# KiCad board smoothiev2-prime-2660.kicad_pcb (continued)
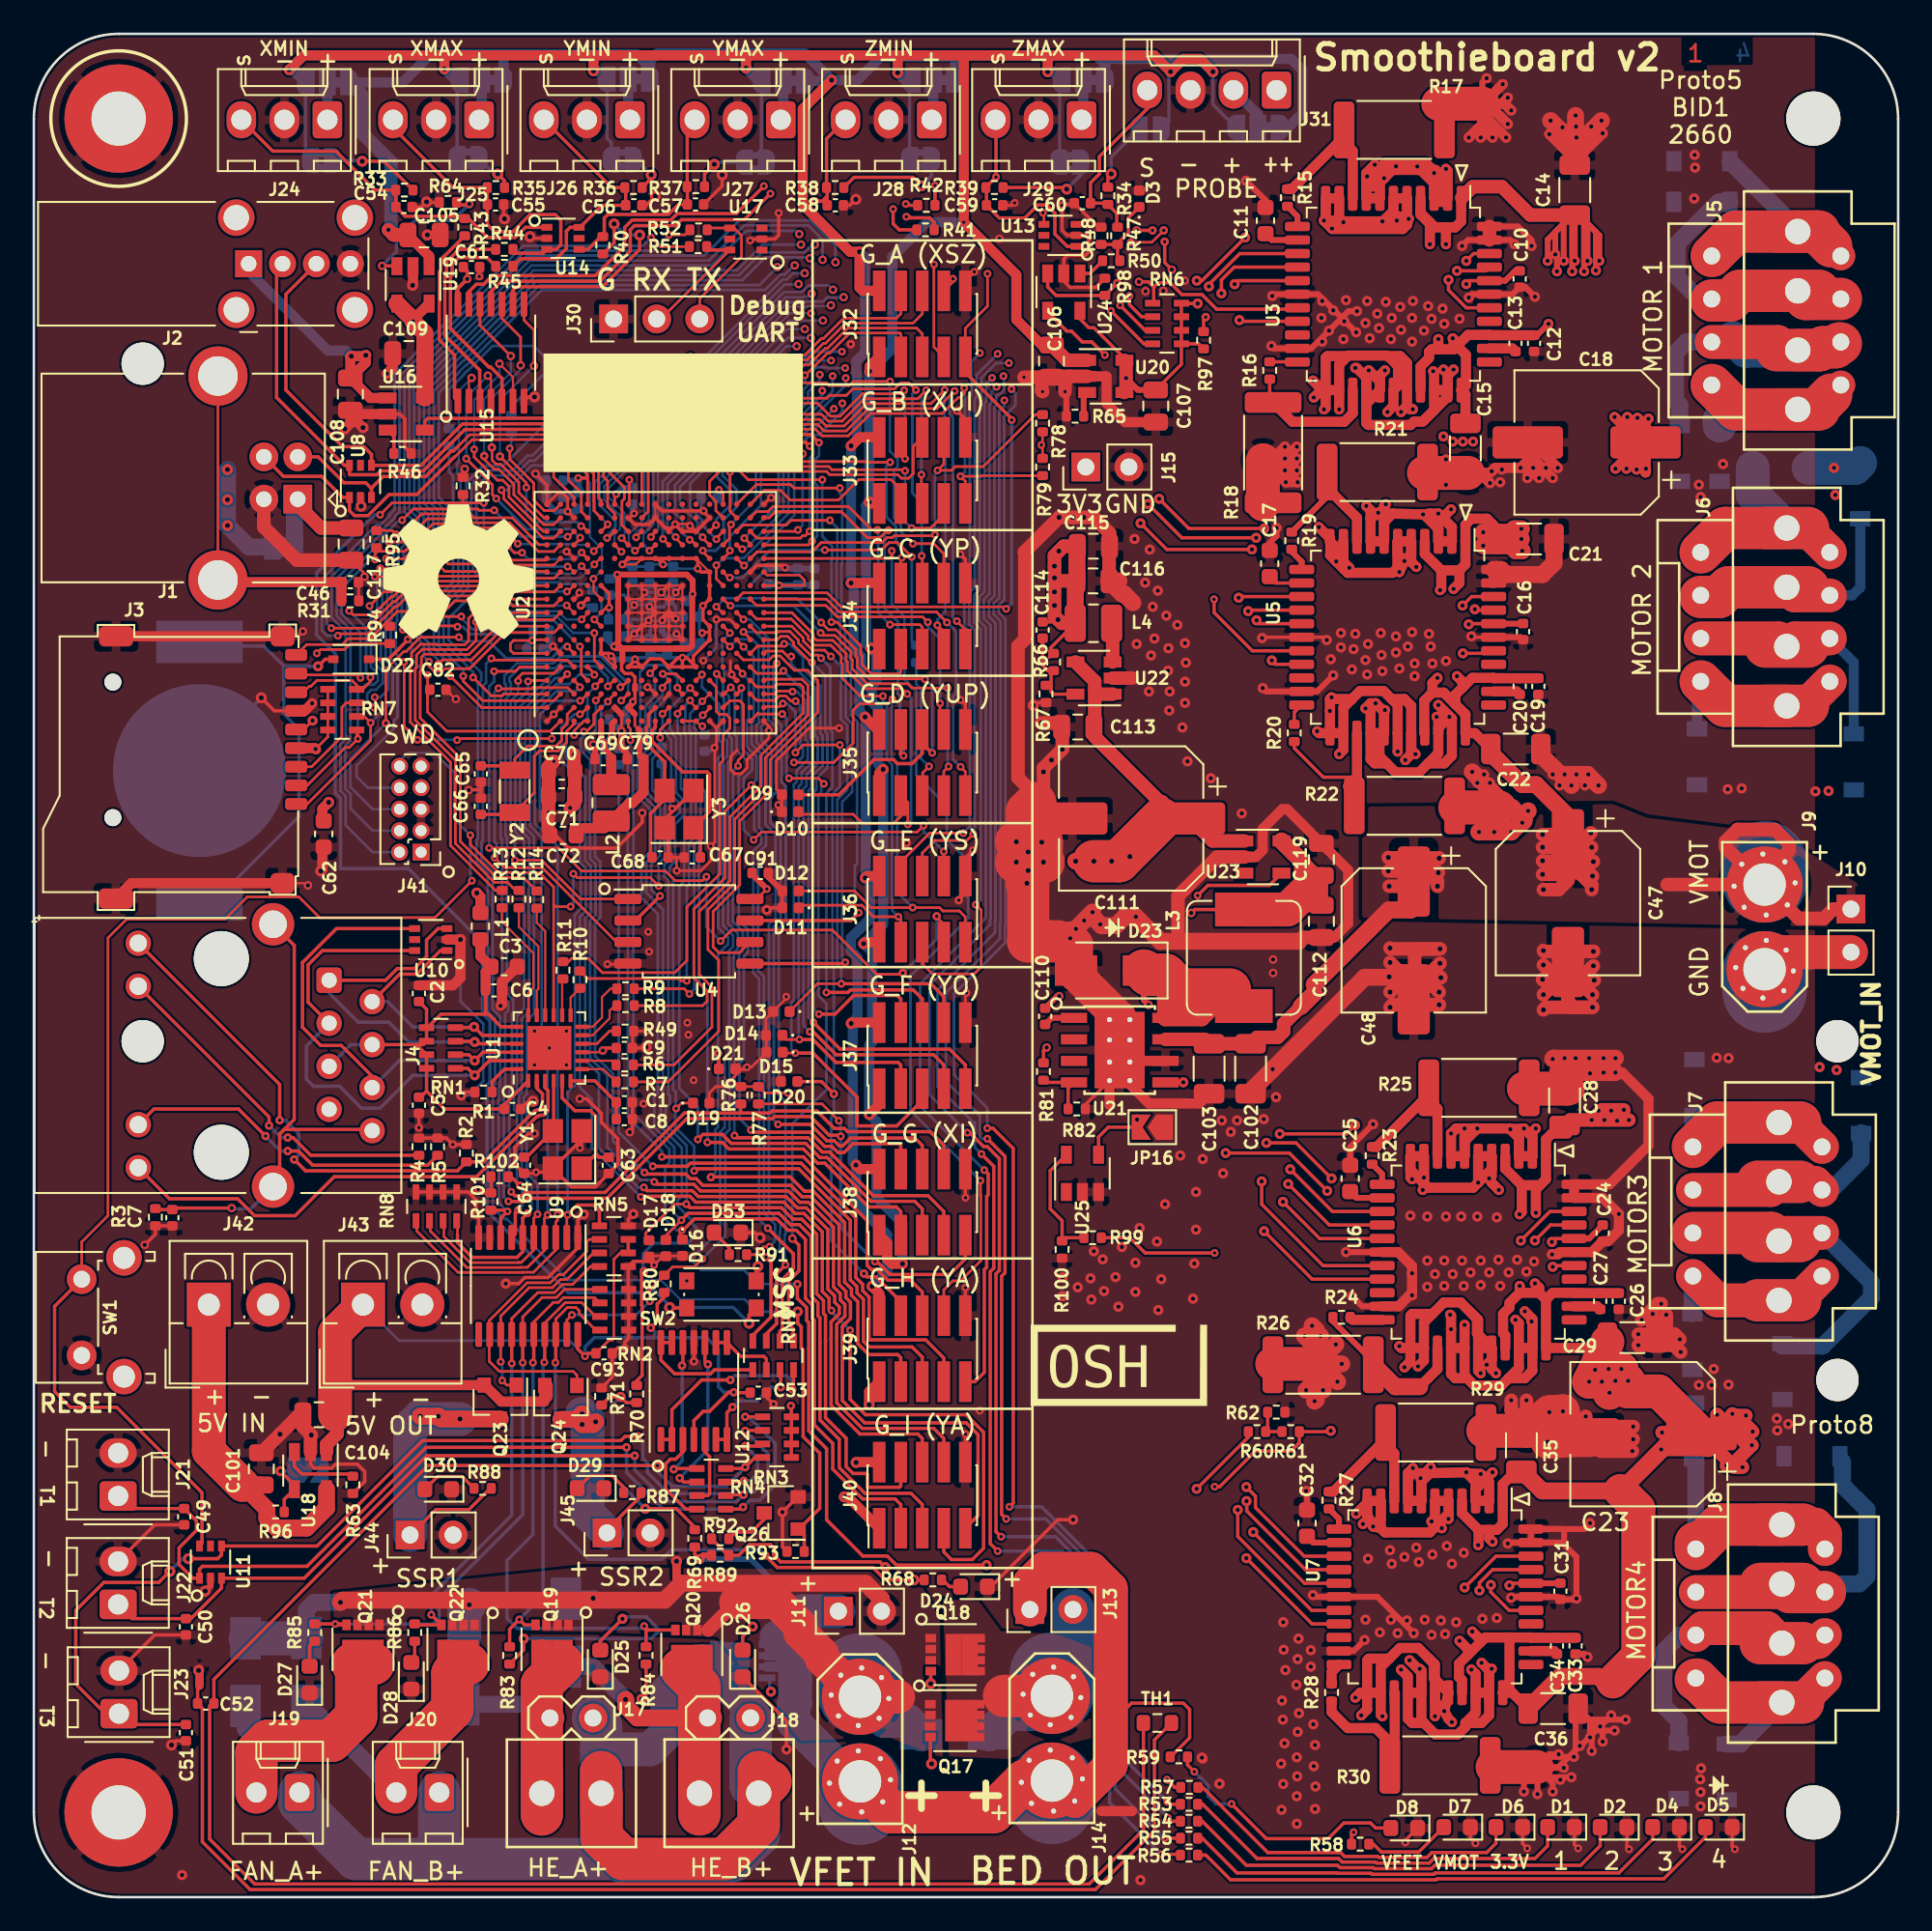
[diagram p0: board, top side]
## Routing (per net, layer and track width the routed paths; a pad name or vN(x,y) marks a point on that pad's centre or on a via; arc(x,y) is an arc through that point) (continued)
/ETH_TXEN: length 26.9
  Top w0.128: U2.B9 30.71,75.47
  Top w0.16: 30.71,75.47 30.66,75.42 27.73,75.42 25.67,73.36 23.48,73.36 23.46,73.38 23.04,73.38 22.86,73.21 22.86,72.43 22.79,72.35 22.79,69.61 25.16,67.24 25.16,62.33 27.29,60.2 28.07,60.2 28.08,60.19 28.88,60.19 R14.2
/ethernet/ETH_REFGND: length 29.7
  Top w0.2: R3.1 7.23,40.59 C7.1 8.26,40.68 v4(11.67,40.68) ; 14.5,45.05 15.36,45.91 15.36,56.19 J4.SH ; 14.5,45.05 14.77,45.32 19.89,45.32 J4.8 ; 14.5,45.05 14.5,42.34 14.11,41.95
  Bottom w0.2: 14.11,41.95 12.8,40.63 11.72,40.63 v4(11.67,40.68)
/ethernet/LED1: length 29.8
  Top w0.2: J4.12 8,41.23 12.02,41.23 13.02,40.23 15.42,40.23 17.72,42.53 26.12,42.53 29.69,46.1 29.77,46.1 29.84,46.16 30.07,46.16 30.34,46.43 30.34,47.61 30.17,47.78 U1.3
/ethernet/LED2: length 35.2
  Top w0.2: v5(15.36,43.55) 16.03,42.88 24.99,42.88 R2.1 26.53,43.41 29.55,46.43 29.64,46.43 29.7,46.49 29.94,46.49 30.01,46.56 30.01,47.41 29.67,47.75 U1.2 ; v5(14.5,45.86) 14.5,47.97 J4.9
  Bottom w0.2: v5(14.5,45.86) 14.85,45.86 15.62,45.1 15.62,43.8 v5(15.36,43.55)
/ethernet/TXD0: length 6.9
  Top w0.128: U1.17 29.67,53.53 29.77,53.63 29.77,56.13 28.62,57.28 R12.1
/ethernet/TXD1: length 7.2
  Top w0.128: R13.1 27.62,57.58 29.47,55.73 29.47,53.69 29.17,53.39 U1.18
/ethernet/TXEN: length 6.5
  Top w0.128: R14.1 29.67,57.53 30.17,57.03 U1.16
/expansion/GB_4: length 38
  Top w0.16: J33.4 51.15,85.16 v3(51.4,84.91) ; v3(35.74,90.41) 36.35,89.8 41.04,89.8 42.64,88.2 46.23,88.2 47,87.43 47.57,87.43 48.89,88.75 51.14,88.75 v3(51.35,88.96)
  Bottom w0.16: v3(51.4,84.91) 51.4,88.91 v3(51.35,88.96) ; v3(35.74,90.41) 35.51,90.64 30.43,90.64 29.5,91.57 27.06,91.57 25.64,90.15 25.61,90.15 25.37,89.91 25.37,89.88 24.5,89 R74.2
/expansion/GB_5: length 34.4
  Top w0.16: v3(35.3,89.82) 35.63,89.49 40.94,89.49 42.52,87.91 42.65,87.91 43.02,87.54 46.47,87.54 46.87,87.14 47.69,87.14 49.01,88.46 52.15,88.46 v3(52.65,88.96) ; J33.5 52.37,82.33 v3(52.37,83.98)
  Bottom w0.16: v3(52.65,88.96) 52.37,88.68 v3(52.37,83.98) ; v3(35.3,89.82) 29.99,89.82 28.17,88 R75.2
/expansion/GD_4: length 2.8
  Top w0.2: J35.4 51.15,67.53 51.11,67.49
  Bottom w0.2: v3(51.31,67.38) 51.31,68.49 R72.2
/expansion/GD_5: length 8.3
  Top w0.16: J35.5 52.45,65.06 52.45,66.38 v3(52.82,66.75)
  Bottom w0.16: 52.07,72.91 52.07,71.61 52.35,71.32 52.35,67.22 v3(52.82,66.75)
/EXTRAFET: length 80.4
  Top w0.16: v3(31.46,77.08) 31.52,77.08 U2.C11
  Top w0.2: R93.2 45.45,21.37 Q26.1 45.14,21.73 46.37,22.95 46.37,26.2 45.39,27.18 45.39,32.3 45.28,32.41 45.28,33.67 45.07,33.88 v2(45.07,34.57)
  Bottom w0.128: 41.93,35.29 38.13,35.29 36.99,36.43 36.78,36.43
  Bottom w0.16: 36.78,36.43 31.51,36.43 27.89,40.04 27.73,40.04 27.08,40.69 27.08,47.85 27.22,47.99 27.22,51.87 26.78,52.31 26.78,60.42 26.12,61.08 26.12,62.41 26.2,62.48 26.2,71.62 26.39,71.82 26.39,72.29 24.47,74.21 24.47,75.51 26.04,77.08 v3(31.46,77.08) ; 41.93,35.29 42.66,34.57 v2(45.07,34.57)
/FANA_FET: length 43.9
  Top w0.16: U2.B4 31.45,72.2 v3(31.47,72.2) ; 24.2,39.93 24.2,39 25.74,37.46 28.59,37.46 28.6,37.47 28.76,37.47 29.49,38.2 U9.5 29.49,40.09 v3(29.72,40.31)
  Bottom w0.16: v3(29.72,40.31) 29.72,42.08 29.08,42.72 29.08,46.57 28.92,46.73 28.92,47.25 29.08,47.41 29.08,51.72 29.51,52.15 29.51,62.61 28.99,63.13 28.99,70.18 30.78,71.97 31.23,71.97 v3(31.47,72.2)
/FANB_FET: length 46.3
  Top w0.16: U2.F4 34.22,71.83 v3(33.87,71.48) ; 25,39.11 25,39.93
  Top w0.2: v3(29.13,40.38) 28.85,40.09 U9.6 28.85,38.11 28.51,37.77 25.86,37.77 25,38.64 25,39.11
  Bottom w0.16: v3(29.13,40.38) 29.36,40.61 29.36,42.03 28.79,42.6 28.79,46.45 28.63,46.61 28.63,47.37 28.79,47.53 28.79,51.84 29.22,52.27 29.22,62.49 28.7,63.01 28.7,70.3 30.66,72.26 30.9,72.26 31.31,72.67 33.21,72.67 33.87,72.01 v3(33.87,71.48)
/FETSENSE: length 47
  Top w0.16: v3(37.09,71.39) 37.09,71.45 U2.K4
  Top w0.2: R70.1 35.57,30.48 35.89,30.8 35.89,34.92 35.86,34.95 35.86,36.82 v5(35.99,36.95)
  Bottom w0.16: 39.1,39.5 38.87,39.73 38.87,39.92 37.99,40.8 37.99,41.15 38.23,41.39 38.23,44.24 36.99,45.48 36.99,47 37.12,47.13 37.12,58.31 36.14,59.29 36.14,61.09 36.65,61.6 36.65,64.35 35.92,65.08 35.92,67.46 36.22,67.76 36.22,68.79 36.36,68.93 36.36,70.22 37.09,70.94 v3(37.09,71.39)
  Bottom w0.2: v5(35.99,36.95) 35.95,37 35.95,37.98 36.57,38.61 38.57,38.61 39.1,39.13 39.1,39.5
/HOTEND_A_FET: length 46.5
  Top w0.16: v3(32.22,71.43) 32.22,71.48 U2.C4 ; v3(30.9,40.29) 30.9,39.96 30.8,39.86 U9.3 30.8,38.2 29.48,36.89 28.84,36.89 28.83,36.88 25.03,36.88 22.59,39.32 22.59,39.93
  Bottom w0.16: v3(30.9,40.29) 30.9,62.04 29.57,63.37 29.57,69.94 30.83,71.2 31.99,71.2 v3(32.22,71.43)
/HOTEND_B_FET: length 46.4
  Top w0.16: 30.12,38.94 30.12,40.08 v3(30.31,40.27) ; 23.39,39.93 23.39,39.32 25.54,37.17 28.71,37.17 28.72,37.18 29.12,37.18 30.14,38.2 U9.4 ; U2.D5 33.07,72.23 v3(33.07,72.17)
  Bottom w0.16: v3(33.07,72.17) 32.16,72.17 31.61,71.62 30.84,71.62 29.28,70.06 29.28,63.25 29.96,62.57 29.96,51.39 30,51.35 30,50.91 29.96,50.87 29.96,49.36 30.31,49.01 v3(30.31,40.27)
/I2C2_SCL: length 85.8
  Top w0.16: U2.G3 34.68,70.64 v3(34.66,70.64) ; v3(47.49,45.84) 46.5,46.83 R77.1
  Top w0.2: v3(28,41.07) 28.94,41.07 29.13,41.26 33.82,41.26 38.52,45.96 43.57,45.96 43.69,46.08 45.83,46.08 46.93,44.98 47.54,44.98 v3(47.61,44.92) ; v3(49.63,37.52) 49.75,37.52 50.51,36.76 54.04,36.76 54.96,37.68 J38.9
  Bottom w0.16: v3(28,41.07) 27.72,41.35 27.72,47.67 27.8,47.75 27.8,52.15 27.99,52.34 27.99,52.84 27.63,53.2 27.63,62.44 27.54,62.53 27.54,70.87 27.85,71.18 27.85,71.58 27.77,71.66 27.77,72.11 28.5,72.84 30.66,72.84 31.07,73.25 33.46,73.25 35.07,71.64 35.07,71.06 v3(34.66,70.64) ; v3(47.61,44.92) 47.61,45.72 v3(47.49,45.84)
  Bottom w0.2: v3(49.63,37.52) 47.61,39.54 v3(47.61,44.92)
/I2C2_SDA: length 69.7
  Top w0.16: v3(34.61,71.43) 34.76,71.58 34.82,71.58 U2.G4 ; 41.73,46.29 41.72,46.3 R76.1
  Top w0.2: J38.8 53.69,44.38 52.88,45.19 48.02,45.19 47.83,45.38 47.24,45.38 46.2,46.41 43.55,46.41 43.43,46.29 38.39,46.29 33.7,41.6 29,41.6 28.81,41.41 28.39,41.41 v3(28.16,41.64)
  Bottom w0.16: v3(34.61,71.43) 34.61,71.69 33.34,72.96 31.19,72.96 30.78,72.55 28.62,72.55 28.06,71.99 28.06,71.78 28.14,71.7 28.14,71.04 27.83,70.72 27.83,62.65 27.92,62.56 27.92,53.32 28.28,52.96 28.28,52.22 28.21,52.15 28.21,47.77 28.05,47.61 28.05,41.75 v3(28.16,41.64)
/I2C3_SCL: length 41.5
  Top w0.16: R79.1 55.91,83.92 55.87,83.88 v3(54.67,83.88) 54.96,83.59 J33.9 ; v3(35.25,86.92) 36.02,87.7 41.5,87.7 42.16,87.04 42.29,87.04 42.67,86.66 46.12,86.66 46.51,86.27 48.05,86.27 49.37,87.59 53.6,87.59 54.54,88.52 54.64,88.52 54.89,88.77 v3(54.89,89.09) ; U2.E15 33.86,81.02 v3(33.86,81.04)
  Bottom w0.16: v3(54.89,89.09) 54.93,89.05 54.93,84.14 v3(54.67,83.88) ; v3(33.86,81.04) 33.08,81.82 33.08,83.52 35.25,85.68 v3(35.25,86.92)
/I2C3_SDA: length 25
  Top w0.16: J33.8 53.69,84.6 v3(53.32,84.23) 54.14,84.23 54.37,84.45 56.02,84.45 59.09,87.53 R78.1 ; U2.T13 42.66,79.42 45.91,79.42 46.46,79.97 50.05,79.97 50.34,80.26 50.65,80.26 50.76,80.37 53.11,80.37 v3(53.17,80.43)
  Bottom w0.16: v3(53.17,80.43) 53.17,84.08 v3(53.32,84.23)
/ILED1: length 117
  Top w0.16: v3(41.9,78.61) 41.89,78.61 U2.R13
  Top w0.2: R53.1 67.02,5.48 v3(66.87,5.63) ; v3(57.56,23.04) 57.79,23.27 57.79,44.2 56.59,45.4 v3(56.25,45.4)
  In2.Cu w0.16: v3(57.68,89.03) 57.91,88.8 57.91,88.38 57.46,87.92 57.05,87.92 56.79,88.19 v3(47.7,88.19)
  Bottom w0.16: v3(56.25,45.4) 56.25,46.6 54.3,48.56 54.3,53.33 57.3,56.33 57.3,57.36 57.32,57.38 57.32,75.45 56.93,75.84 56.93,76.27 57.25,76.59 57.25,87.42 57.91,88.07 57.91,88.8 v3(57.68,89.03) ; v3(41.9,78.61) 44.87,81.58 44.87,85.38 45.33,85.84 45.33,85.88 45.56,86.1 45.59,86.1 45.82,86.33 46.31,86.33 47.7,87.72 v3(47.7,88.19)
  Bottom w0.2: v3(66.87,5.63) 64.47,8.03 64.47,18.03 59.46,23.04 v3(57.56,23.04)
/ILED2: length 116.7
  Top w0.16: U2.P13 41.07,79.43 v3(41.07,79.49)
  Top w0.2: v3(66.91,4.69) 67.12,4.48 R54.1 ; v3(56.26,44.77) 57.3,43.73 57.3,36.86 57.1,36.66 57.1,22.6 v3(57.37,22.33)
  In2.Cu w0.16: v3(46.52,88.93) 46.83,88.63 47.91,88.63 48.06,88.48 57.15,88.48 v3(57.26,88.36)
  Bottom w0.16: v3(57.26,88.36) 57.26,88.04 56.96,87.74 56.96,76.71 56.64,76.39 56.64,75.72 57.03,75.33 57.03,57.5 57,57.48 57,56.59 53.82,53.41 53.82,48.16 55.81,46.16 55.81,44.89 55.93,44.77 v3(56.26,44.77) ; v3(46.52,88.93) 46.52,88.7 42.9,85.08 42.9,82.16 41.07,80.33 v3(41.07,79.49)
  Bottom w0.2: v3(57.37,22.33) 59.7,22.33 64.13,17.9 64.13,7.47 v3(66.91,4.69)
/ILED3: length 120.6
  Top w0.16: v3(41.13,81.03) 41.04,80.94 41.04,80.2 U2.P14
  Top w0.2: v3(55.08,45.13) 55.22,45.13 56.04,44.31 56.25,44.31 56.97,43.59 56.97,37 56.77,36.8 56.77,21.58 v3(57.07,21.28) ; R55.1 v3(66.72,3.48)
  In2.Cu w0.16: v3(46.37,89.88) 47.34,88.92 49.33,88.92 50.33,89.92 50.76,89.92 51.14,89.53 56.05,89.53 56.41,89.17 v3(56.8,89.17)
  Bottom w0.16: v3(56.8,89.17) 56.49,88.85 56.49,88.19 56.38,88.09 56.38,76.95 56.06,76.63 56.06,75.48 56.45,75.09 56.45,57.74 56.42,57.72 56.42,57.41 52.85,53.83 52.85,47.37 v3(55.08,45.13) ; v3(46.37,89.88) 46.37,89.56 45.67,88.86 45.67,88.27 42.61,85.2 42.61,82.5 v3(41.13,81.03)
  Bottom w0.2: v3(66.72,3.48) 63.8,6.4 63.8,17.77 60.29,21.28 v3(57.07,21.28)
/ILED4: length 121.6
  Top w0.16: v3(41.8,79.58) 41.72,79.58 U2.R14
  Top w0.2: v3(66.52,2.53) 67.6,2.53 R56.1 ; v3(56.87,20.43) 56.43,20.87 56.43,36.92 56.64,37.13 56.64,43.14 v3(55.91,43.87)
  In2.Cu w0.16: v3(57.21,89.8) 56.86,90.14 51.66,90.14 51.19,90.61 49.07,90.61 48.14,89.68 v3(47.9,89.68)
  Bottom w0.16: v3(47.9,89.68) 47.9,89.27 44.23,85.59 44.23,81.85 41.96,79.58 v3(41.8,79.58) ; v3(55.91,43.87) 55.52,44.26 55.52,45.73 55.45,45.73 53.32,47.86 53.32,53.56 56.71,56.95 56.71,57.6 56.74,57.62 56.74,75.21 56.35,75.6 56.35,76.51 56.67,76.83 56.67,87.97 56.78,88.07 56.78,88.62 56.88,88.73 57.01,88.73 57.24,88.96 57.24,89.76 v3(57.21,89.8)
  Bottom w0.2: v3(56.87,20.43) 60.67,20.43 63.47,17.63 63.47,5.58 v3(66.52,2.53)
/MCU_DEBUG_RX: length 53.9
  Top w0.16: U2.B11 30.7,77.06 28.26,77.06 27.92,77.4 23.38,77.4 23.23,77.55 23.07,77.55 23.07,77.55 22.8,77.55 21.44,76.19 21.32,76.19 19.71,74.59 18.05,74.59 v3(17.94,74.47) ; v3(36.42,97.97) 36.95,97.44 R51.1
  Bottom w0.16: v3(36.42,97.97) 35.94,97.49 28.88,97.49 24.44,93.05 24.4,93.05 22.47,91.11 22.47,91.08 21.28,89.9 21.28,81.91 20.99,81.62 20.99,81.55 20.47,81.03 20.22,81.03 16.99,77.8 16.99,74.78 17.3,74.47 v3(17.94,74.47)
/MCU_DEBUG_TX: length 51.7
  Top w0.16: v3(37.49,98.14) 38.42,98.14 R52.1 ; U2.A11 28.3,77.43 28.04,77.69 23.5,77.69 23.35,77.84 23.19,77.84 23.19,77.84 22.68,77.84 21.32,76.48 21.2,76.48 19.64,74.92 v3(17.55,74.92)
  Bottom w0.16: v3(17.55,74.92) 17.28,75.18 17.28,77.68 20.34,80.74 20.59,80.74 21.28,81.43 21.28,81.5 21.57,81.79 21.57,89.78 22.76,90.96 22.76,90.99 24.52,92.76 24.56,92.76 29,97.2 36.55,97.2 v3(37.49,98.14)
/MCU_RESET: length 111.1
  Top w0.16: v3(31.83,60.42) 32.06,60.19 36.37,60.19 v3(36.87,59.69) ; v3(31.67,58.48) 30.8,58.48 30.67,58.61 ; v3(36.95,68.45) 36.95,68.91 U2.K1 ; U1.15 30.67,58.61 ; 30.67,58.61 30.67,59.63 29.82,60.48 28.2,60.48 28.19,60.49 27.41,60.49 25.76,62.15 v3(25.76,62.69) ; SW1.2 2.82,38.68 4.37,40.23 4.37,56.63 5.47,57.73 11.27,57.73 12.59,59.05 15.64,59.05 16.86,57.83 23.67,57.83 v3(25.84,60)
  Top w0.2: U11.6 9.92,20.88 9.92,23.88 4.88,28.92 2.15,28.92 1.22,29.85 1.22,34.88 SW1.2
  Bottom w0.16: v3(25.84,60) 25.76,60.09 v3(25.76,62.69) 24.81,63.64 24.81,66.38 23.64,67.56 22.05,67.56 21.58,67.09 J41.10 ; C81.1 37.05,68.36 v3(36.95,68.45) 36.95,67.67 36.5,67.21 36.5,65.34 37.23,64.61 37.23,61.36 36.87,61 v3(36.87,59.69) ; v3(31.67,58.48) 31.83,58.64 v3(31.83,60.42)
/mosfets/BED_GATE: length 53
  Top w0.16: RN2.8 33.14,33.48 32.19,34.44 32.19,34.6 31.98,34.81 31.47,34.81 30.8,34.13 U9.18
  Top w0.2: 52.61,18.73 v1(51.92,18.73) 50.24,18.73 49.51,19.46 43.86,19.46 v5(43.14,20.18) ; v1(52.97,7.87) 52.89,7.94 Q17.4 ; U9.18 30.8,31.58 v3(30.77,31.56) ; v1(52.92,12.6) Q18.4
  In2.Cu w0.2: v1(51.92,18.73) 51.92,13.61 v1(52.92,12.6) 52.92,7.92 v1(52.97,7.87)
  Bottom w0.2: v5(43.14,20.18) 42.82,20.5 37.62,20.5 37.07,19.96 32.72,19.96 30.77,21.91 v3(30.77,31.56)
/mosfets/CUTOFF_GATE: length 2.9
  Top w0.2: Q26.3 43.1,22.31 42.35,21.56 41.41,21.56 41.01,21.16
/mosfets/FAN2_GATE: length 28.4
  Top w0.16: RN5.8 32.85,37.23 31.79,36.17 31.19,36.17 30.71,35.69 29.73,35.69 28.2,34.16 U9.14
  Top w0.2: R86.2 22.53,16.07 Q22.4 23.45,16.67 v3(23.45,16.67) ; U9.14 v3(28.2,31.5)
  Bottom w0.2: v3(28.2,31.5) 28.2,22.56 23.45,17.81 v3(23.45,16.67)
/mosfets/FAN_GATE: length 34
  Top w0.16: RN2.5 31.31,35.88 30.83,35.4 29.99,35.4 28.85,34.25 U9.15 28.87,33.24
  Top w0.2: R85.2 18.39,16.13 Q21.4 17.84,16.07 v3(17.78,16.13) ; U9.15 v3(28.85,31.56)
  Bottom w0.2: v3(17.78,16.13) 23.59,16.13 23.91,16.45 23.91,17.64 28.85,22.58 v3(28.85,31.56)
/mosfets/HEA_GATE: length 25.2
  Top w0.16: 30.12,33.22 30.12,33.87 31.35,35.1 32.33,35.1 33.14,34.28 RN2.7
  Top w0.2: v3(30.12,31.58) 30.14,31.61 30.14,33.19 30.12,33.22 ; Q19.4 28.96,16.07 v3(28.64,16.39) 28.07,15.82 R83.2
  Bottom w0.2: v3(28.64,16.39) 30.04,17.79 30.04,31.5 v3(30.12,31.58)
/mosfets/HEB_GATE: length 34.4
  Top w0.16: U9.16 29.49,33.95 30.65,35.11 30.95,35.11 31.23,35.39 33.09,35.39 RN2.6
  Top w0.2: R84.2 36.12,15.89 v3(36.01,16) 36.24,15.77 Q20.4 ; U9.16 29.49,31.61 v3(29.45,31.56)
  Bottom w0.2: v3(36.01,16) 35.88,15.87 28.5,15.87 27.92,16.45 27.92,19.89 29.45,21.41 v3(29.45,31.56)
/mosfets/SSR1_G: length 12.2
  Top w0.16: v3(27.55,31.61) 27.55,34.31 29.22,35.98 30.59,35.98 31.07,36.46 31.45,36.46 33.02,38.03 RN5.7 ; v3(27.64,30.5) 27.9,30.23 Q23.1
  Bottom w0.16: v3(27.64,30.5) 27.64,31.51 v3(27.55,31.61)
/mosfets/SSR2_G: length 17.3
  Top w0.16: Q24.1 32.05,30.81 31.82,31.04 27.46,31.04 26.87,31.63 26.87,34.04 29.1,36.27 30.47,36.27 30.95,36.75 31.24,36.75 32.63,38.14 32.63,38.7 32.76,38.83 RN5.6
/mosfets/SW_BED: length 13.1
  Top w2.5: J14.2 57.24,11.88
  Bottom w2: D49.1 57.55,10.81 59,10.81 J14.2
  Bottom w2.5: J13.2 61.31,13.12 J14.2
/mosfets/VFET: length 77.7
  Top w0.2: J14.1 62.87,6.88 64.32,8.33 64.32,11 64.77,11.46 67.82,11.46 68.2,11.08 68.2,9.41 67.07,8.28 R59.1 ; v2(39.27,19.95) 38.99,20.23 38.99,20.82
  Top w0.35: R89.2 39.5,20.18 v2(39.27,19.95)
  Top w2: J14.1 63.55,7.81 63.55,18.23 62.39,19.38 59.6,19.38 58.77,18.56 J13.1
  Top w2.5: J14.1 58.47,6.88 56.6,5 50.57,5 J12.1
  Bottom w0.35: 45.37,16.88 42.3,19.95 v2(39.27,19.95)
  Bottom w0.6: 43.82,15.33 43.41,14.92 Q25.1 ; Q25.3 44.68,13.6 45.11,14.04 44.89,14.26 Q25.2
  Bottom w2: J11.1 45.37,16.88 44.82,16.33 44.82,14.43 ; 44.92,14.23 44.92,12.82 44.92,11.44 44.82,11.34 44.82,10.33 48.07,7.08 J12.1 ; 44.82,14.53 44.62,14.53 43.82,15.33
/MOT_EN: length 154.6
  Top w0.16: v3(31.53,84.5) 31.53,83.67 32.3,82.9 32.3,81.8 U2.D16
  Top w0.2: U7.19 75.42,16.13 v2(71.54,20.01) ; v5(66.72,97.73) 66.72,96.5 v4(67.14,96.08) ; v2(71.13,93.1) 71.2,93.03 U3.19 ; U6.19 75.43,36.48 v2(72.59,39.32) ; v2(73.04,73.01) 73.27,72.78 U5.19
  In2.Cu w0.2: v2(71.54,20.01) 72.73,21.2 72.73,39.18 v2(72.59,39.32) 72.73,39.32 75.59,42.18 75.59,42.7 76.89,44 76.89,63.84 73.34,67.39 73.34,72.71 v2(73.04,73.01) 73.04,76.5 71.5,78.04 71.23,78.04 70.35,78.93 70.35,80.66 70.91,81.23 70.91,92.88 v2(71.13,93.1) 71.18,93.15 71.18,94.77 71.38,94.97 71.38,95.84 69.49,97.73 v5(66.72,97.73) ; v4(45.48,95.87) 45.64,96.03 48.07,96.03 48.18,95.92 52.43,95.92 52.91,95.44 53.68,95.44 54.07,95.05 62.53,95.05 63.74,96.26 66.96,96.26 v4(67.14,96.08)
  Bottom w0.16: v4(45.48,95.87) 44.79,95.87 44.42,95.5 44.18,95.5 43.27,94.59 43.25,94.59 38.47,89.82 36.97,89.82 35.85,88.7 35.17,88.7 31.53,85.06 v3(31.53,84.5)
/MOTSPI_CIPO: length 188.8
  Top w0.16: v3(21.84,72.92) 21.84,69.11 v3(22.64,68.32) ; v3(31.88,68.6) 31.88,68.86 32.45,69.43 U2.D1 ; v3(30.56,68.4) 25.06,68.4 v3(24.97,68.31) ; v3(54.23,95.54) 54.23,95.37 J32.8
  Top w0.2: U5.14 71.16,76.78 v2(71.09,76.71) ; v2(74.13,42.97) 76.62,40.48 U6.14 ; v2(69.33,95.09) 69.33,95.21 71.16,97.03 U3.14 ; v2(71.54,24.21) 72.08,23.67 72.08,23 74.95,20.13 U7.14
  In2.Cu w0.16: 54.21,95.38 54.21,95.52 v3(54.23,95.54) ; v3(31.88,68.6) 31.67,68.4 v3(30.56,68.4)
  In2.Cu w0.2: v4(47.3,96.51) 48.05,96.51 48.32,96.25 52.56,96.25 53.05,95.77 54,95.77 v3(54.23,95.54) 54.39,95.38 62.4,95.38 63.61,96.59 68.24,96.59 69.33,95.5 v2(69.33,95.09) 69.33,94.66 69.69,94.3 69.69,81.83 69.36,81.5 69.36,78.52 71.09,76.78 v2(71.09,76.71) 71.09,73.67 71.22,73.54 71.22,67.84 75.9,63.16 75.9,44.74 v2(74.13,42.97) 73.48,42.32 73.48,42.07 71.34,39.93 71.34,24.41 v2(71.54,24.21)
  Bottom w0.16: v3(22.64,68.32) 24.95,68.32 v3(24.97,68.31) ; v3(21.84,72.92) 21.34,73.42 21.34,75.24 21.42,75.33 21.42,77.96 21.52,78.05 21.52,79.48 22.41,80.38 22.41,81.24 21.86,81.79 21.86,89.66 23.05,90.84 23.05,90.87 24.64,92.47 24.68,92.47 29.12,96.91 39.55,96.91 41.63,98.99 45.81,98.99 47.3,97.5 v4(47.3,96.51)
/MOTSPI_COPI: length 193.4
  Top w0.16: v3(33.07,74.63) 33.07,73.03 U2.E5 ; v3(53.11,96.39) 53.1,96.38 53.1,91.52 J32.7 ; v3(25.21,75.6) 22.56,75.6 v3(21.78,74.82)
  Top w0.2: v2(71.55,23.38) 71.57,23.36 71.57,22.8 75.03,19.33 U7.15 ; v5(66,98.4) v4(65.07,98.4) ; v2(74.01,42.1) 76.43,39.68 U6.15 ; v2(71.65,75.92) 71.71,75.98 U5.15 ; U3.15 70.82,96.23 70.07,95.48 v2(70.07,94.68)
  In2.Cu w0.2: v2(71.55,23.38) 72.07,23.9 72.07,24.47 71.73,24.81 71.73,39.82 v2(74.01,42.1) 76.23,44.32 76.23,63.29 71.65,67.87 71.65,71.25 71.61,71.29 71.61,75.88 v2(71.65,75.92) 71.65,76.94 71.3,77.28 71.05,77.28 69.69,78.65 69.69,81.17 70.07,81.55 70.07,95.23 68.38,96.92 65.76,96.92 65.75,96.93 65.75,98.15 v5(66,98.4) ; v4(46.54,96.66) 46.87,96.99 48.04,96.99 48.45,96.58 53.06,96.58 53.18,96.71 ; v4(65.07,98.4) 64.41,98.4 62.4,96.39 55.74,96.39 55.42,96.71 53.18,96.71 ; 53.18,96.71 53.18,96.46 v3(53.11,96.39)
  Bottom w0.16: v4(46.54,96.66) 46.54,97.85 45.69,98.7 41.91,98.7 39.83,96.62 29.24,96.62 24.8,92.18 24.76,92.18 23.34,90.75 23.34,90.72 22.15,89.54 22.15,81.91 22.7,81.36 22.7,80.23 21.81,79.34 21.81,77.93 21.71,77.84 21.71,74.88 v3(21.78,74.82) ; v3(25.21,75.6) 25.21,75.51 25.88,74.85 27.2,74.85 28,75.65 30.82,75.65 31.83,74.63 v3(33.07,74.63)
/MOTSPI_SCK: length 155.6
  Top w0.16: v3(64.72,97.7) 65.97,97.7 v5(66.67,98.4) ; U2.R10 41.84,77 46.8,77 47.64,76.17 57.26,76.17 v3(57.37,76.06) ; v3(56.27,95.84) 56.27,93.93 54.96,92.62 J32.9
  Top w0.2: v3(57.7,87.2) 57.7,87.28 54.96,90.02 J32.9 ; U3.16 71.06,95.43 v2(70.85,95.22) ; U7.16 74.97,18.53 v2(71.95,21.55) ; v2(73.7,41.05) 75.87,38.88 U6.16 ; U5.16 72.34,75.18 v2(72.14,75.38)
  In2.Cu w0.16: v3(56.27,95.84) 62.38,95.84 64.24,97.7 v3(64.72,97.7)
  In2.Cu w0.2: v5(66.67,98.4) 66.67,98.35 66.19,97.87 66.19,97.25 69.18,97.25 70.85,95.58 70.85,94.03 70.58,93.76 70.58,81.36 70.02,80.8 70.02,78.79 71.09,77.71 71.36,77.71 72.18,76.9 72.18,75.41 v2(72.14,75.38) 71.94,75.18 71.94,71.42 71.98,71.39 71.98,68.29 76.56,63.71 76.56,44.14 75.26,42.83 75.26,42.6 v2(73.7,41.05) 73.5,41.05 72.06,39.61 72.06,24.94 72.4,24.6 72.4,22 v2(71.95,21.55)
  Bottom w0.2: v3(57.37,76.06) 57.7,76.38 v3(57.7,87.2)
/OUTPUTENABLE: length 49.9
  Top w0.16: v3(39.45,37.68) 38.97,37.2 37.68,37.2 36.34,35.86 v3(36.34,35.18) ; U9.19 31.45,34.07 v3(31.74,34.37) ; U2.P8 v3(41.07,74.63)
  Bottom w0.16: v3(36.34,35.18) 35.53,34.37 v3(31.74,34.37) ; v3(41.07,74.63) 40.62,74.18 40.62,72.55 40.74,72.43 40.74,71.94 40.66,71.86 40.66,71.24 41.01,70.89 41.01,68.55 41.18,68.38 41.18,67.23 40.96,67.01 40.96,57.48 41.54,56.9 41.54,55.99 41.31,55.77 41.31,49.71 41.05,49.44 41.05,45.32 40.79,45.06 40.79,39.02 v3(39.45,37.68)
/PA4: length 36.5
  Top w0.16: D15.1 44.24,49.83 v3(44.92,49.83) ; v3(44.76,71.17) 44.73,71.2 43.87,71.2 43.69,71.03 U2.U3
  Top w0.2: v3(44.92,49.83) 45.97,49.83 48.57,47.23 48.57,45.53 50.92,45.53 52.42,47.03 J37.5
  Bottom w0.16: v3(44.76,71.17) 45.02,71.17 45.53,70.66 45.53,68.33 45.66,68.2 45.66,67.16 45.01,66.5 45.01,65.86 44.84,65.68 44.84,52.94 44.69,52.8 44.69,50.06 v3(44.92,49.83)
/PB1: length 34.1
  Top w0.16: D14.1 44.42,50.63 v3(45.17,50.63) ; v3(44.23,72.4) 44.08,72.25 42.65,72.25 U2.T5
  Top w0.2: J37.3 51.15,49.13 51,49.28 47.32,49.28 45.97,50.63 v3(45.17,50.63)
  Bottom w0.16: v3(44.23,72.4) 45.82,70.81 45.82,68.45 45.95,68.32 45.95,67.04 45.3,66.38 45.3,65.74 45.13,65.56 45.13,50.67 v3(45.17,50.63)
/PB12: length 86.4
  Top w0.16: U2.T14 42.27,79.88 v3(41.92,80.23)
  Top w0.2: v3(56.08,42.92) 56.31,42.69 56.31,41.46 56.22,41.37 56.22,37.18 56.08,37.04 56.08,30.98 55.53,30.43 J39.9
  In2.Cu w0.16: v3(47.13,89.8) 47.69,89.24 49.24,89.24 50.21,90.21 51.18,90.21 51.54,89.85 56.38,89.85 v3(56.53,89.69)
  Bottom w0.16: v3(56.08,42.92) 52.3,46.7 52.3,53.93 56.13,57.77 56.13,57.84 56.16,57.86 56.16,74.97 55.77,75.36 55.77,76.75 56.09,77.07 56.09,88.21 56.2,88.32 56.2,89.36 v3(56.53,89.69) ; v3(47.13,89.8) 47.13,88.9 43.94,85.71 43.94,82.25 v3(41.92,80.23)
/PC0: length 43.4
  Top w0.16: U2.L2 37.98,69.94 v3(37.98,69.86)
  Top w0.2: J38.5 52.42,40.63 51.97,41.08 49.39,41.08 46.81,43.66 46.38,43.66 45.54,44.5 41.15,44.5 40.62,45.03 39.47,45.03 v3(39.18,44.74)
  Bottom w0.16: v3(39.18,44.74) 39.18,46.64 38.08,47.74 38.08,59.68 38.37,59.97 38.37,62.36 38.76,62.76 38.76,64.88 38.18,65.46 38.18,68.57 37.98,68.77 v3(37.98,69.86)
/PC13: length 68.6
  Top w0.16: v3(33.16,70.65) 33.47,70.96 U2.E3
  Top w0.2: J40.9 55.71,22.53 55.71,27.31 55.02,28 49.02,28 47.7,29.31 47.7,33.24 47.7,33.24 47.7,33.68 48.18,34.17 48.18,35.12 47.91,35.39 47.91,35.77 47.51,36.17 47.51,39.69 45.85,41.35 45.32,41.35 44.65,42.02 39.47,42.02 39.08,42.41 38.74,42.41 38.47,42.69 36.12,42.69 v3(36.03,42.78)
  Bottom w0.16: v3(36.03,42.78) 34.16,44.65 34.16,48.61 33.11,49.66 33.11,57.54 33.43,57.86 33.43,61.11 33.11,61.43 33.11,67.26 32.55,67.82 32.55,68.26 33.16,68.87 v3(33.16,70.65)
/PD9: length 11
  Top w0.16: J33.3 51.15,83.11 50.57,83.69 48.68,83.69 47.47,82.48 44.62,82.48 44.04,83.06 43.1,83.06 U2.T17
/PD10: length 17.5
  Top w0.16: v3(50.51,75.12) 52.27,75.12 52.42,74.98 J34.5 ; U2.T16 42.64,81.8 43.31,81.8 43.61,82.1 48.06,82.1 49.44,80.72 v3(49.77,80.72)
  Bottom w0.16: v3(50.51,75.12) 49.82,75.82 49.82,80.7 49.8,80.72 v3(49.77,80.72)
/PD12: length 20.5
  Top w0.16: J34.4 51.15,79.02 v3(51.21,79.08) ; v3(41.07,84.14) 41.07,81.83 U2.R16 ; v3(42.17,85.14) 42.55,84.75 49.09,84.75 49.13,84.71 v3(50.52,84.71)
  Bottom w0.16: v3(51.21,79.08) 51.21,79.64 50.87,79.98 50.87,80.91 50.29,81.49 50.29,84.48 v3(50.52,84.71) ; v3(41.07,84.14) 41.17,84.14 v3(42.17,85.14)
/PD14: length 26
  Top w0.16: v3(47.06,75.28) 47.38,75.28 48.79,73.87 48.79,73.36 48.87,73.28 48.87,72.76 49.42,72.21 51.04,72.21 51.15,72.32 J34.3 ; U2.P16 40.24,81.86 40.24,82.41 39.87,82.78 39.87,83.58 40.9,84.61 41.22,84.61 42.15,83.68 v3(46.52,83.68)
  Bottom w0.16: v3(46.52,83.68) 46.52,80.33 47.11,79.74 47.11,78.97 47.06,78.92 v3(47.06,75.28)
/PD15: length 61
  Top w0.16: v3(40.27,80.17) 40.24,80.2 40.24,80.2 U2.P15 ; J36.6 52.42,61.64 53.16,62.38 55.05,62.38 v3(55.43,62.77)
  In2.Cu w0.16: v3(56.87,91.11) 56.48,90.72 51.9,90.72 51.43,91.19 48.83,91.19 48.35,90.71 v3(47.04,90.71)
  Bottom w0.16: v3(56.87,91.11) 55.62,89.86 55.62,88.56 55.51,88.45 55.51,77.31 55.19,76.99 55.19,75.12 55.51,74.8 55.51,62.85 v3(55.43,62.77) ; v3(40.27,80.17) 39.44,80.99 39.44,81.29 38.72,82.01 38.72,83.43 42.75,87.46 43.62,87.46 44.21,88.05 44.21,88.79 45.05,89.63 45.05,90.04 45.73,90.71 v3(47.04,90.71)
/PE4: length 73.9
  Top w0.16: U2.D2 32.28,69.84 v3(32.22,69.84)
  Top w0.2: J40.7 53.69,20.38 54.14,19.93 55.37,19.93 56.04,20.6 56.04,27.44 55,28.48 49.07,28.48 48.16,29.39 v3(48.16,33.46) ; v3(35.81,41.34) 35.84,41.37 38.71,41.37 39.05,41.03 44.24,41.03 44.91,40.36 45.44,40.36 46.52,39.28 46.52,35.76 46.92,35.36 46.92,34.77 v3(47.06,34.63)
  Bottom w0.16: v3(35.81,41.34) 32.92,44.23 32.92,47.1 32.21,47.81 32.21,57.87 32.56,58.22 32.56,60.75 32.22,61.09 32.22,61.71 32.21,61.72 32.21,66.02 31.12,67.11 31.12,69.06 31.89,69.84 v3(32.22,69.84)
  Bottom w0.2: v3(47.06,34.63) 47.06,34.56 v3(48.16,33.46)
/PE7: length 28.6
  Top w0.16: U2.U9 44.73,75.83 45.98,74.57 45.98,74.4 46.18,74.2 47.14,74.2 47.92,73.42 47.92,73 48,72.92 48,72.4 49.06,71.34 51.22,71.34 v3(51.53,71.03) ; D10.2 45.26,63.93 48.35,63.93 48.89,63.38 50.72,63.38 51.15,63.81 J35.3 51.57,64.61 v3(51.57,63.33)
  Bottom w0.16: v3(51.53,71.03) 51.76,70.8 51.76,63.52 v3(51.57,63.33)
/PE8: length 33.5
  Top w0.16: v3(50.1,70.9) 48.76,70.9 47.71,71.95 47.71,72.8 47.63,72.88 47.63,73.3 47.02,73.91 46.06,73.91 45.69,74.28 45.69,74.45 44.69,75.46 42.64,75.46 U2.T9 ; D11.1 45.28,58.55 48.86,58.55 49.53,57.88 v3(51.01,57.88) ; v3(51.01,57.88) 51.15,57.74 ; v3(51.01,57.88) 51.15,57.74 ; 51.15,57.74 J36.3 51.15,57.74
  Bottom w0.16: v3(50.1,70.9) 50.1,70.64 50.32,70.41 50.32,67.16 50.65,66.84 50.65,58.24 v3(51.01,57.88)
/PF2: length 48.3
  Top w0.16: v3(35.2,68.3) 35.2,68.96 35.07,69.1 U2.G1
  Top w0.2: J39.6 52.42,35.73 51.73,36.42 50.38,36.42 49.75,37.06 49.41,37.06 49.17,37.3 49.17,39.94 45.4,43.71 v3(37.06,43.71)
  Bottom w0.16: v3(37.06,43.71) 37.06,44.03 35.05,46.04 35.05,67.82 35.2,67.98 v3(35.2,68.3)
/PF13: length 41
  Top w0.16: U2.P7 v3(41.07,73.83) ; R91.1 42.59,37.93 43.06,38.4 v3(43.41,38.4)